# Altium PCB PCB2.PcbDoc (part 3 of 3) (continued)
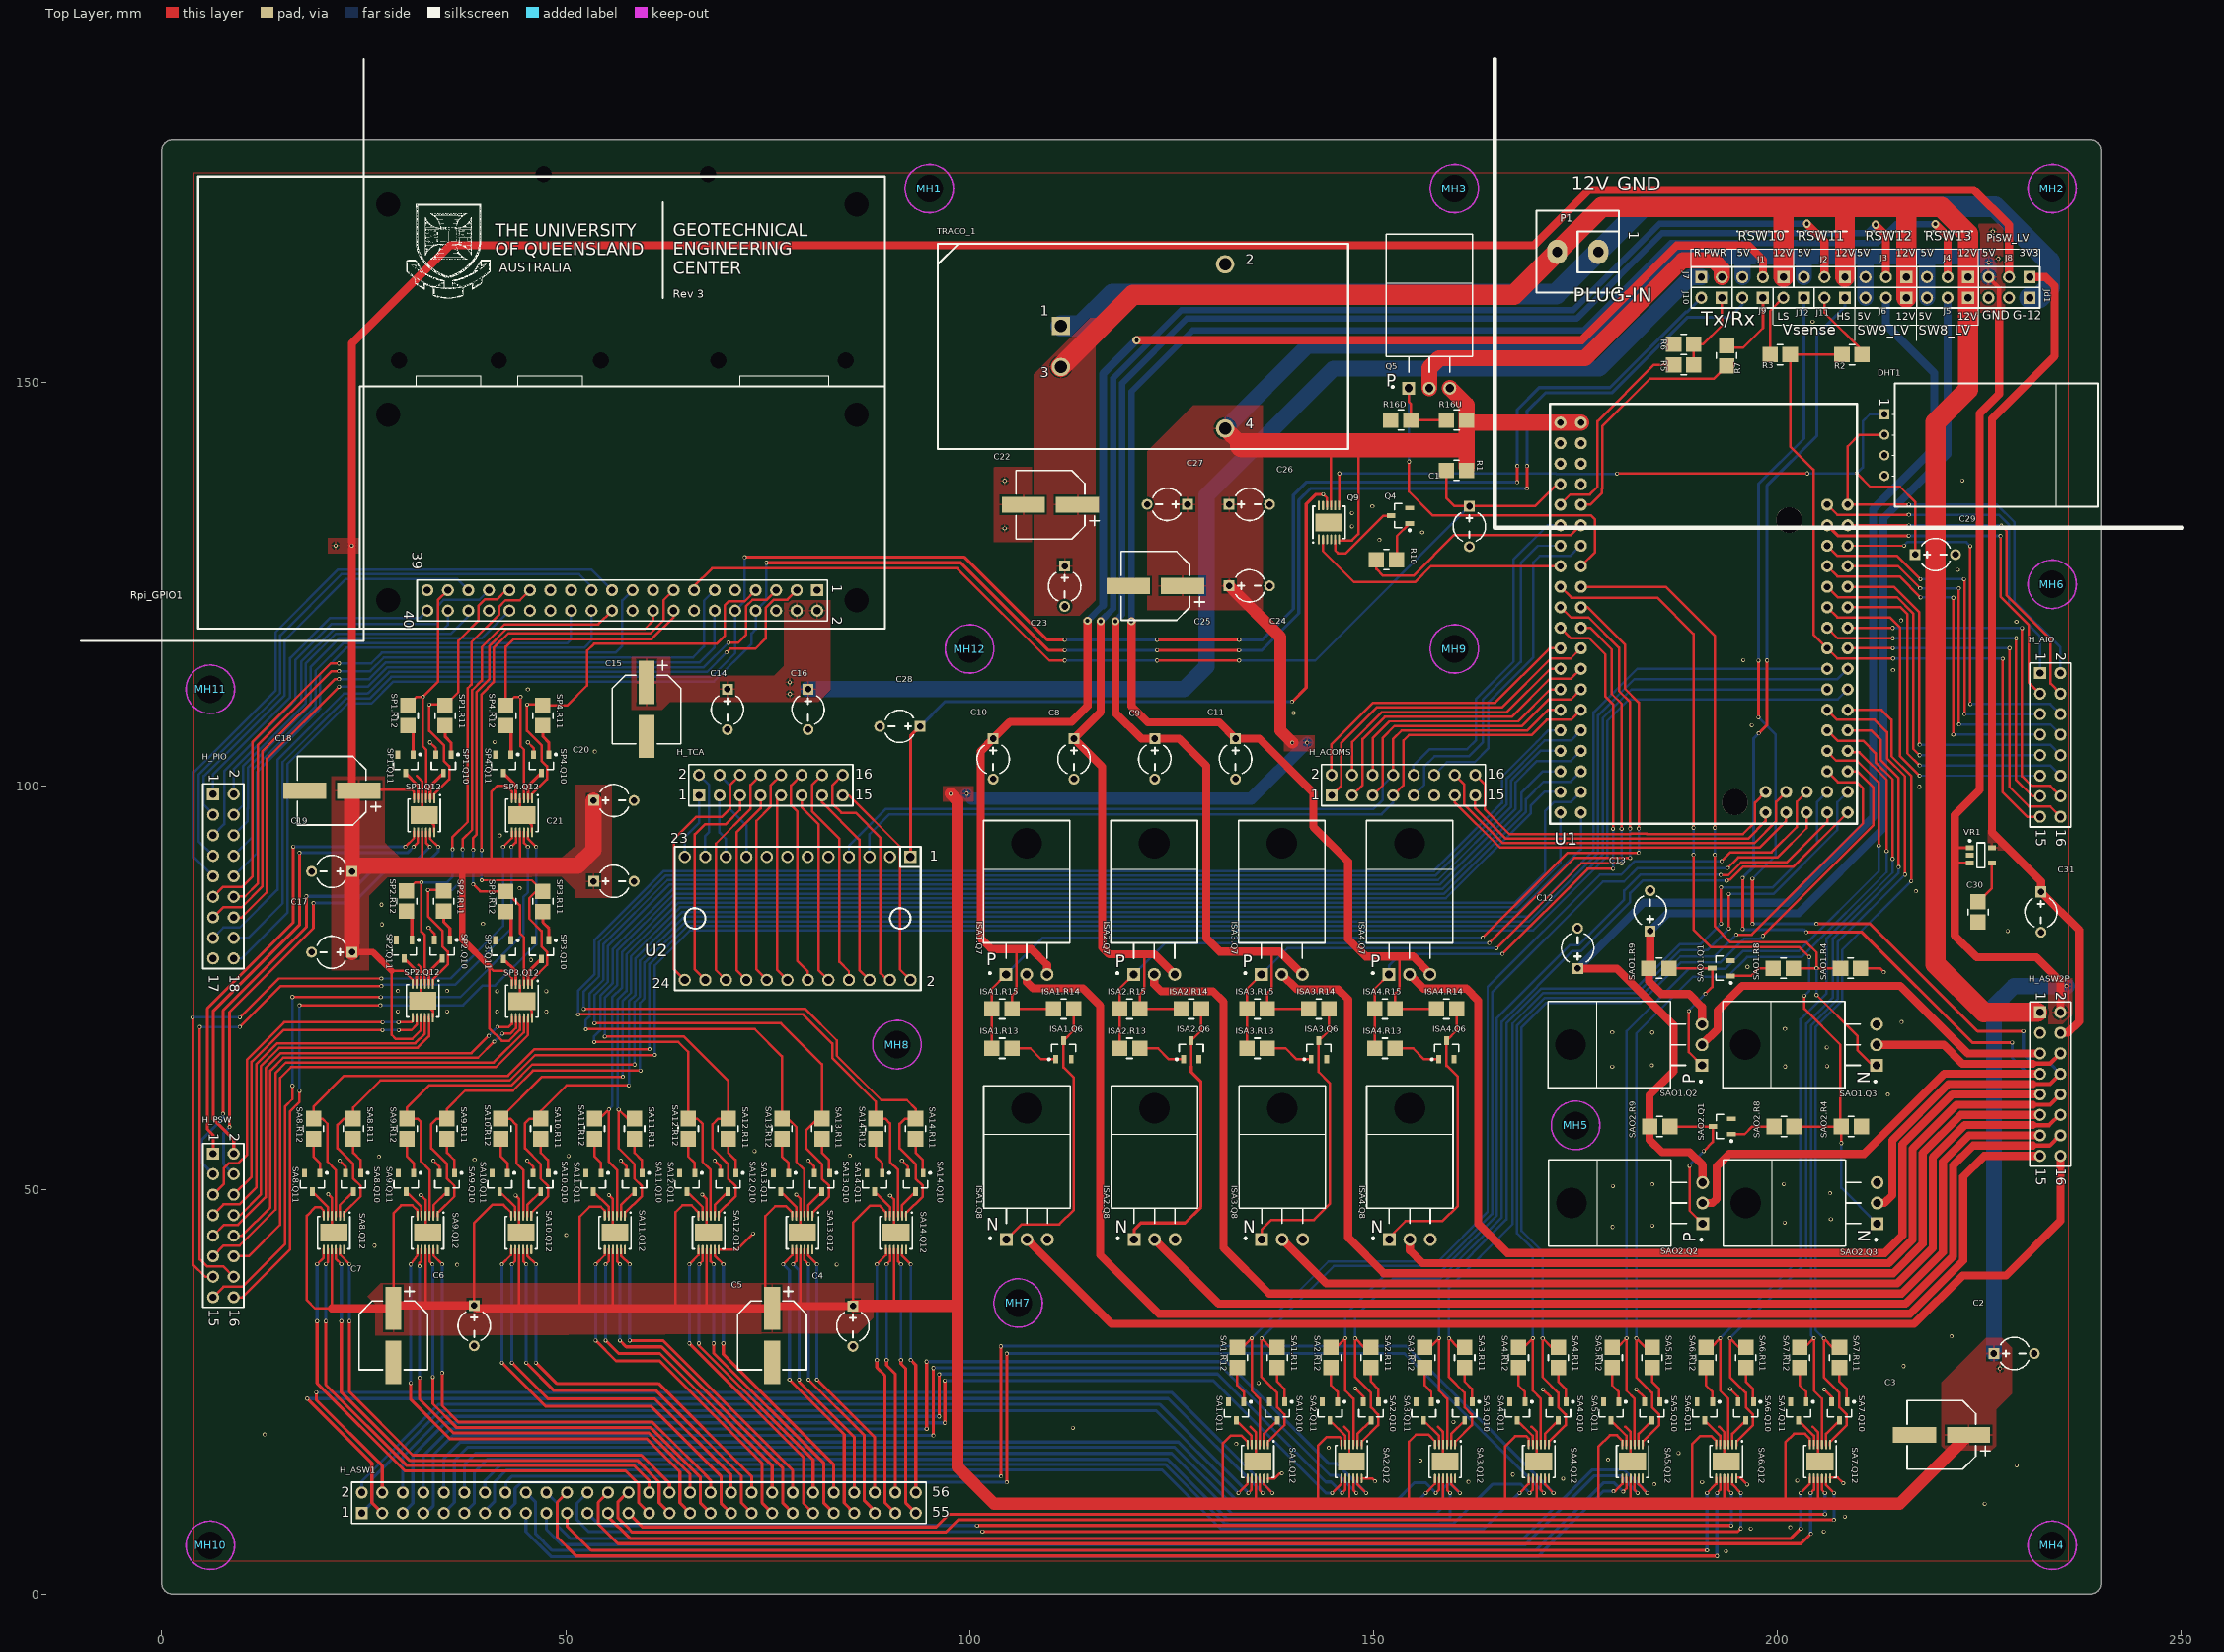
[diagram p0: Top Layer view]
## Nets (pads, with @x,y where several pads share a name; then routed paths per layer and width w, separated by ;. In a path a pad name is that pad's centre, name@x,y a point inside that pad or via, vN(x,y) a via of type N, cw(c..) or ccw(c..) an arc to the next point about the centre after c; other vN are vias at no path point) (continued)
PI_HS_7: H_PSW.13 SP4.Q12.7 | length 89
  Top Layer w0.305: v1(3.82,71.37) 3.82,40.83 5.39,39.26 H_PSW.13@6.35,39.26 ; v1(9.65,71.37) 14.47,76.19 v1(27.18,76.19) ; v1(42.26,92.499) 43.328,93.567 SP4.Q12.7@43.328,94.386
  Bottom Layer w0.305: v1(3.82,71.37) v1(9.65,71.37) ; v1(27.18,76.19) 35.74,76.19 42.26,82.71 v1(42.26,92.499)
PI_HS_8: H_PSW.15 SP4.Q12.10 | length 87.5
  Top Layer w0.305: H_PSW.15@6.35,36.72 7.64,38.01 9.96,38.01 15.27,43.32 15.27,60.356 16.17,61.256 v1(16.17,62.9) ; v1@16.17,73.89 v1(27.11,73.89) ; SP4.Q12.10@44.828,94.386 44.828,92.979 v1(45.308,92.499)
  Bottom Layer w0.305: v1(16.17,62.9) v1(16.17,73.9) ; v1(27.11,73.89) 36.94,73.89 44.75,81.7 44.75,86.28 45.308,86.838 v1(45.308,92.499)
PI_LS_1: H_PSW.2 SP1.Q12.8 | length 59.3
  Top Layer w0.305: v1(31.166,92.499) 31.718,93.051 SP1.Q12.8@31.718,94.386
  Top Layer w0.381: H_PSW.2@8.894,54.5 8.894,56.256 6.354,58.796 6.354,72.134 17.04,82.82 v1(17.04,91.75)
  Bottom Layer w0.381: v1(17.04,91.75) 30.417,91.75 v1(31.166,92.499)
PI_LS_2: H_PSW.4 SP1.Q12.11 | length 59.7
  Top Layer w0.305: SP1.Q12.11@33.218,94.386 33.218,93.495 v1(34.214,92.499)
  Top Layer w0.381: v1(8.382,57.78) 8.382,72.032 18.77,82.42 v1(18.77,85.53)
  Bottom Layer w0.381: v1(8.382,57.78) 7.65,57.048 7.65,53.2 H_PSW.4@8.89,51.96 ; v1(18.77,85.53) 18.78,85.53 18.79,85.54 23.69,85.54 27.66,89.51 31.83,89.51 34.214,91.894 v1(34.214,92.499)
PI_LS_3: H_PSW.6 SP2.Q12.8 | length 40.7
  Top Layer w0.305: H_PSW.6@8.89,49.42 11.12,51.65 11.12,65.87 15.05,69.8 v1(27.32,69.8) ; v1(29.33,69.8) 30.892,69.8 31.554,70.462 SP2.Q12.8@31.554,71.427
  Bottom Layer w0.305: v1(27.32,69.8) v1(29.33,69.8)
PI_LS_4: H_PSW.8 SP2.Q12.11 | length 45.6
  Top Layer w0.305: H_PSW.8@8.89,46.88 9.69,46.88 12.279,49.469 12.279,65.359 14.52,67.6 21.74,67.6 21.752,67.612 31.662,67.612 33.07,69.02 33.07,71.18 33.054,71.196 SP2.Q12.11@33.054,71.427 ; H_PSW.8@8.894,46.927 H_PSW.8@9.387,46.927
PI_LS_5: H_PSW.10 SP3.Q12.8 | length 57.3
  Top Layer w0.305: H_PSW.10@8.89,44.34 9.91,44.34 13.43,47.86 13.43,64.79 15.02,66.38 20.94,66.38 39.14,66.38 v1(41.13,68.37) ; H_PSW.10@8.894,44.387 H_PSW.10@9.317,44.387 ; v1(42.15,69.37) 43.146,69.37 43.828,70.052 SP3.Q12.8@43.828,71.387
  Bottom Layer w0.305: v1(41.13,68.37) 41.15,68.37 v1(42.15,69.37)
PI_LS_6: H_PSW.12 SP3.Q12.11 | length 60.6
  Top Layer w0.305: H_PSW.12@8.89,41.8 10.75,41.8 14.64,45.69 14.64,63.86 15.99,65.21 20.94,65.21 41.34,65.21 45.328,69.198 SP3.Q12.11@45.328,71.387
PI_LS_7: H_PSW.14 SP4.Q12.8 | length 90
  Top Layer w0.305: v1(4.7,70.19) 4.7,41.42 5.57,40.55 7.6,40.55 H_PSW.14@8.89,39.26 ; H_PSW.14@8.894,39.307 H_PSW.14@8.894,39.646 ; v1(9.65,70.19) 14.73,75.27 v1(27.18,75.27) ; v1(43.276,92.499) 43.828,93.051 SP4.Q12.8@43.828,94.386
  Bottom Layer w0.305: v1(4.7,70.19) v1(9.65,70.19) ; v1(27.18,75.27) 27.33,75.42 36.31,75.42 43.276,82.386 v1(43.276,92.499)
PI_LS_8: H_PSW.16 SP4.Q12.11 | length 87
  Top Layer w0.305: H_PSW.16@8.89,36.72 9.96,36.72 14.5,41.26 15.84,42.6 15.84,59.696 17.04,60.896 v1(17.04,62.27) ; v1@17.05,72.87 v1(27.07,72.87) ; SP4.Q12.11@45.328,94.386 45.328,93.495 v1(46.324,92.499)
  Bottom Layer w0.305: v1(17.04,62.27) v1(17.04,72.87) ; v1(27.07,72.87) 37.28,72.87 39.72,75.31 41.26,75.31 46.324,80.374 v1(46.324,92.499)
PI_SW1: Rpi_GPIO1.37 SP1.Q12.3 SP1.R12.1 | length 29.6
  Top Layer w0.305: SP1.R12.1@30.468,109.979 31.548,111.059 v1(32.308,111.059) ; SP1.Q12.3@32.718,98.386 32.718,104.529 32.308,104.939 v1(32.308,111.059) ; Rpi_GPIO1.37@35.41,124.27 34.18,123.04 34.18,112.931 v1(32.308,111.059)
PI_SW2: Rpi_GPIO1.31 SP1.Q12.1 SP1.R11.1 | length 34.5
  Top Layer w0.305: SP1.Q12.1@33.718,98.386 33.718,99.019 35.568,100.869 35.568,102.472 34.898,103.142 34.898,105.069 33.108,106.859 v1(33.108,110.109) 34.349,110.109 34.639,110.399 SP1.R11.1@35.06,109.979 36.7,111.619 36.7,117.99 39.182,120.472 39.182,122.312 39.99,123.12 40.005,123.12 40.011,123.114 40.969,123.114 40.975,123.12 41.47,123.12 42.62,124.27 Rpi_GPIO1.31@43.03,124.27
PI_SW3: Rpi_GPIO1.29 SP2.Q12.3 SP2.R12.1 | length 59.8
  Top Layer w0.305: SP2.R12.1@30.304,87.02 31.384,88.1 v1(32.144,88.1) 32.144,81.98 32.554,81.57 SP2.Q12.3@32.554,75.427 ; v1(35.994,92.19) 35.994,93.704 37.861,95.571 37.861,112.132 38.33,112.601 38.33,117.83 41.74,121.24 41.74,122.21 42.56,123.03 44.33,123.03 Rpi_GPIO1.29@45.57,124.27
  Bottom Layer w0.305: v1(32.144,88.1) 35.33,88.1 35.994,88.764 v1(35.994,92.19)
PI_SW4: Rpi_GPIO1.22 SP2.Q12.1 SP2.R11.1 | length 68.3
  Top Layer w0.305: SP2.Q12.1@33.554,75.427 33.554,76.06 35.404,77.91 35.404,79.514 34.734,80.184 34.734,82.11 32.944,83.9 v1(32.944,87.15) 34.186,87.15 34.476,87.44 SP2.R11.1@34.896,87.02 ; v1(37.234,92.19) 37.234,93.424 38.42,94.61 38.42,111.9 39.61,113.09 39.61,117.211 42.438,120.039 54.039,120.039 Rpi_GPIO1.22@55.73,121.73
  Bottom Layer w0.305: v1(32.944,87.15) 35.944,87.15 37.234,88.44 v1(37.234,92.19)
PI_SW5: Rpi_GPIO1.18 SP3.Q12.3 SP3.R12.1 | length 70
  Top Layer w0.305: v1(38.55,87.84) 39.41,86.98 SP3.R12.1@42.578,86.98 44.32,85.238 44.32,81.83 44.828,81.322 SP3.Q12.3@44.828,75.387 ; v1(38.55,92.114) 38.55,93.58 38.979,94.009 38.979,111.669 40.531,113.221 40.531,117.341 40.68,117.49 42.67,119.48 59.79,119.48 60.81,120.5 Rpi_GPIO1.18@60.81,121.73
  Bottom Layer w0.305: v1(38.55,87.84) v1(38.55,92.114)
PI_SW6: Rpi_GPIO1.15 SP3.Q12.1 SP3.R11.1 | length 78.4
  Top Layer w0.305: v1(39.584,92.09) 39.579,92.095 39.579,111.379 41.09,112.89 41.09,117.11 42.901,118.921 60.471,118.921 62.11,120.56 62.11,123.03 Rpi_GPIO1.15@63.35,124.27 ; v1(39.6,88.348) 45.802,88.348 SP3.R11.1@46.749,87.4 ; SP3.Q12.1@45.828,75.387 45.828,76.02 47.678,77.87 47.678,79.474 47.008,80.144 47.008,82.07 45.47,83.608 45.47,86.121 SP3.R11.1@46.749,87.4 ; SP3.R11.1@47.17,86.98 SP3.R11.1@46.749,87.4
  Bottom Layer w0.305: v1(39.584,92.09) 39.584,88.364 v1(39.6,88.348)
PI_SW7: Rpi_GPIO1.16 SP4.Q12.3 SP4.R12.1 | length 45.5
  Top Layer w0.305: SP4.Q12.3@44.828,98.386 44.828,104.529 44.418,104.939 v1(44.418,111.059) 43.658,111.059 SP4.R12.1@42.578,109.979 42.578,117.248 43.548,118.218 60.638,118.218 63.35,120.93 Rpi_GPIO1.16@63.35,121.73
PI_SW8: Rpi_GPIO1.7 SP4.Q12.1 SP4.R11.1 | length 52.7
  Top Layer w0.305: SP4.Q12.1@45.828,98.386 45.828,99.019 47.678,100.869 47.678,102.472 47.008,103.142 47.008,105.069 45.218,106.859 v1(45.218,110.109) 46.459,110.109 46.749,110.399 SP4.R11.1@47.17,109.979 50.149,109.979 52.648,112.478 52.648,116.758 53.51,117.62 68.67,117.62 69.71,118.66 69.71,122.43 70.17,122.89 72.13,122.89 Rpi_GPIO1.7@73.51,124.27
PWM1: H_ACOMS.12 U1.D4 | length 40.2
  Bottom Layer w0.305: H_ACOMS.12@157.484,101.39 H_ACOMS.12@157.5,101.39 159.09,102.98 162.5,102.98 164.22,104.7 164.22,110.41 169.78,115.97 169.78,127.72 170.56,128.5 174.3,128.5 175.57,129.77 U1.D4@175.666,129.77
PWM2: H_ACOMS.10 U1.D3 | length 42.1
  Bottom Layer w0.305: H_ACOMS.10@154.944,101.39 154.944,102.584 156.95,104.59 161.58,104.59 162.7,105.71 162.7,110.816 167.33,115.446 167.33,128.096 171.544,132.31 U1.D3@173.126,132.31
rpi_5v_1: C14.1 C15.1 C16.1 J7.1 Rpi_GPIO1.2 Rpi_GPIO1.4 | length 144.1
  Bottom Layer w2: C16.1@80.004,112 126.51,112 129.31,114.8 129.31,135.996 145.017,151.703 177.917,151.703 189.234,163.02 J7.1@190.563,163.02
  other v1: 77.75,111.41 77.72,112.87
RSW1: ISA1.Q7.1 ISA1.R13.1 ISA1.R15.1 U1.D10 | length 128.3
  Top Layer w0.305: ISA1.R13.1@102.754,67.543 ISA1.R15.1@102.754,72.423 102.754,74.943 ISA1.Q7.1@104.504,76.693 ; v1(163.51,81.24) 174.03,91.76 v1@182.816,91.76 ; U1.D10@175.666,122.15 176.49,122.15 181.1,117.54 181.1,112.08 182.82,110.36 v1(182.82,94.75)
  Bottom Layer w0.305: ISA1.Q7.1@104.504,76.693 109.051,81.24 153.35,81.24 v1(163.51,81.24) ; v1@182.816,91.76 182.82,91.764 v1(182.82,94.75)
  other v1: 182.82,91.76
RSW2: ISA2.Q7.1 ISA2.R13.1 ISA2.R15.1 U1.D11 | length 113.2
  Top Layer w0.305: ISA2.R13.1@118.554,67.543 ISA2.R15.1@118.554,72.423 118.554,74.943 ISA2.Q7.1@120.304,76.693 ; v1(164.3,80.58) 174.836,91.116 181.742,91.116 v1(181.758,91.1) ; U1.D11@173.126,122.15 173.17,122.15 174.44,120.88 176.63,120.88 180.37,117.14 180.37,111.778 181.754,110.394 181.75,110.389 v1(181.75,94.75)
  Bottom Layer w0.305: ISA2.Q7.1@120.304,76.693 124.191,80.58 153.35,80.58 v1(164.3,80.58) ; v1(181.75,94.75) 181.75,91.121 v1@181.754,91.116
RSW3: ISA3.Q7.1 ISA3.R13.1 ISA3.R15.1 U1.D12 | length 92.1
  Top Layer w0.305: ISA3.R13.1@134.354,67.543 ISA3.R15.1@134.354,72.423 134.354,74.943 ISA3.Q7.1@136.104,76.693 ; v1(165.21,79.92) 175.75,90.46 v1(180.696,90.46) ; U1.D12@175.666,119.61 176.8,119.61 179.48,116.93 179.48,111.409 180.692,110.197 v1(180.692,94.72)
  Bottom Layer w0.305: ISA3.Q7.1@136.104,76.693 139.331,79.92 153.35,79.92 v1(165.21,79.92) ; v1@180.692,90.46 v1(180.692,94.72)
RSW4: ISA4.Q7.1 ISA4.R13.1 ISA4.R15.1 U1.D13 | length 77.5
  Top Layer w0.305: ISA4.R13.1@150.154,67.543 ISA4.R15.1@150.154,72.423 150.154,74.943 ISA4.Q7.1@151.904,76.693 ; v1(165.96,79.22) 176.51,89.77 v1(179.634,89.77) ; U1.D13@173.126,119.61 174.396,118.34 176.66,118.34 178.7,116.3 178.7,111.086 179.63,110.156 v1(179.63,94.72)
  Bottom Layer w0.305: ISA4.Q7.1@151.904,76.693 151.904,77.774 153.35,79.22 v1(165.96,79.22) ; v1@179.63,89.77 v1(179.63,94.72)
SCK: H_ACOMS.15 U1.D52 | length 41.1
  Top Layer w0.305: H_ACOMS.15@162.58,98.85 162.58,97.27 166.351,93.499 182.05,93.499 182.085,93.534 183.555,93.534 183.59,93.499 196.369,93.499 198.526,95.656 U1.D52@198.526,96.75
SS: H_ACOMS.16 U1.D53 | length 44.4
  Top Layer w0.305: H_ACOMS.16@162.58,101.39 163.79,100.18 163.79,97.09 166.822,94.058 181.819,94.058 181.854,94.093 183.786,94.093 183.821,94.058 195.698,94.058 197.2,95.56 197.2,97.964 U1.D53@198.526,99.29
SSDI-12: H_ACOMS.9 U1.D5 | length 42.6
  Bottom Layer w0.305: H_ACOMS.9@154.96,98.85 156.28,100.17 156.28,102.44 157.54,103.7 161.79,103.7 163.56,105.47 163.56,110.75 168.21,115.4 168.21,127.648 170.332,129.77 U1.D5@173.126,129.77
tca_sc0: H_TCA.3 U2.19 | length 7.9
  Bottom Layer w0.305: H_TCA.3@69.04,98.85 69.04,94.27 69.814,93.496 U2.19@69.814,91.25
tca_sc1: H_TCA.1 U2.23 | length 8.3
  Bottom Layer w0.305: U2.23@64.734,91.25 64.734,93.684 66.5,95.45 H_TCA.1@66.5,98.85
tca_sc2: H_TCA.5 U2.22 | length 27.5
  Top Layer w0.305: U2.22@67.274,76.01 65.982,77.302 65.982,94.032 67.26,95.31 69.82,95.31 71.58,97.07 H_TCA.5@71.58,98.85
  Bottom Layer w0.305: H_TCA.5@71.072,98.85 H_TCA.5@71.301,98.621
tca_sc3: H_TCA.7 U2.18 | length 24.6
  Top Layer w0.305: U2.18@72.354,76.01 71.14,77.224 71.14,94.27 74.12,97.25 H_TCA.7@74.12,98.85
tca_sc4: H_TCA.9 U2.14 | length 23.6
  Top Layer w0.305: H_TCA.9@76.66,98.85 76.152,98.342 76.152,77.291 U2.14@77.434,76.01
tca_sc5: H_TCA.11 U2.10 | length 24.2
  Top Layer w0.305: H_TCA.11@79.2,98.85 79.2,97.38 81.29,95.29 81.29,77.234 U2.10@82.514,76.01
tca_sc6: H_TCA.13 U2.6 | length 25.3
  Top Layer w0.305: H_TCA.13@81.74,98.85 81.74,97.99 86.36,93.37 86.36,77.244 U2.6@87.594,76.01
tca_sc7: H_TCA.15 U2.2 | length 26.8
  Top Layer w0.305: H_TCA.15@84.28,98.85 85.06,98.85 91.38,92.53 91.38,77.304 U2.2@92.674,76.01
tca_sd0: H_TCA.4 U2.17 | length 11.5
  Bottom Layer w0.305: H_TCA.4@69.04,101.39 70.34,100.09 70.34,97.15 72.354,95.136 U2.17@72.354,91.25
tca_sd1: H_TCA.2 U2.21 | length 10.9
  Bottom Layer w0.305: H_TCA.2@66.5,101.39 67.76,100.13 67.76,94.32 67.274,93.834 U2.21@67.274,91.25
tca_sd2: H_TCA.6 U2.24 | length 31.2
  Top Layer w0.305: U2.24@64.734,76.01 63.38,77.364 63.38,93.43 66.12,96.17 69.31,96.17 70.34,97.2 70.34,100.15 H_TCA.6@71.58,101.39
tca_sd3: H_TCA.8 U2.20 | length 28.2
  Top Layer w0.305: U2.20@69.814,76.01 68.59,77.234 68.59,92.9 72.89,97.2 72.89,100.16 H_TCA.8@74.12,101.39
tca_sd4: H_TCA.10 U2.16 | length 27.2
  Top Layer w0.305: U2.16@74.894,76.01 73.612,77.291 73.612,95.711 75.36,97.459 75.36,100.09 H_TCA.10@76.66,101.39
tca_sd5: H_TCA.12 U2.12 | length 26.8
  Top Layer w0.305: H_TCA.12@79.2,101.39 77.904,100.094 77.904,97.626 78.69,96.84 78.69,78.33 79.974,77.046 U2.12@79.974,76.01
tca_sd6: H_TCA.14 U2.8 | length 27.8
  Top Layer w0.305: H_TCA.14@81.74,101.39 80.48,100.13 80.48,96.89 83.88,93.49 83.88,78.25 85.054,77.076 U2.8@85.054,76.01
tca_sd7: H_TCA.16 U2.4 | length 30.1
  Top Layer w0.305: H_TCA.16@84.28,101.39 82.99,100.1 82.99,97.84 84.135,96.695 85.885,96.695 88.96,93.62 88.96,76.86 89.81,76.01 U2.4@90.134,76.01
pads on no net: DHT1.3 ISA1.Q7.0 ISA1.Q8.0 ISA2.Q7.0 ISA2.Q8.0 ISA3.Q7.0 ISA3.Q8.0 ISA4.Q7.0 ISA4.Q8.0 MH1.0 MH2.0 MH3.0 MH4.0 MH5.0 MH6.0 MH7.0 MH8.0 MH9.0 MH10.0 MH11.0 MH12.0 Q5.0 Q9.1 Q9.3 Q9.4 Q9.8 Q9.11 Q9.12 Rpi_GPIO1.0 Rpi_GPIO1.1 Rpi_GPIO1.17 Rpi_GPIO1.27 Rpi_GPIO1.28 SAO1.Q2.0 SAO1.Q3.0 SAO2.Q2.0 SAO2.Q3.0 U1.0 U1.5V@3 U1.AREF U1.GND@3 U1.GND@4 U1.MISO U1.MOSI U1.RESET U1.RST@2 U1.RX@2 U1.SCK U1.TX@2 U1.VCC@1 U1.VCC@2 U1.VCC@3 U2.9 U2.11 U2.13 U2.15
copper on no net:
  other v1: 196.28,77.63

## Polygon pours and split planes (outlines as drawn)
GND on Bottom Layer "Bottom Layer-GND" (solid, remove dead copper, shelved, pour order 97): 4,4 4,176 236,176 236,4
5V on Bottom Layer "Bottom Layer-5V 1" (solid, remove dead copper, pour order 61): 225.42,169.8 226.82,169.8 228.038,168.582 228.038,164.3 225.42,164.3
5V on Bottom Layer "Bottom Layer-NetC17_1" (solid, remove dead copper, pour order 83): 96.434,100.39 100.814,100.39 100.814,97.72 96.434,97.72
5V on Bottom Layer "Bottom Layer-NetC17_1" (solid, remove dead copper, pour order 79): 142.936,103.955 138.556,103.955 138.556,106.625 142.936,106.625
5V on Bottom Layer "Bottom Layer-5V 2" (solid, remove dead copper, pour order 77): 225.8,31.66 227.81,31.66 229.02,30.45 229.02,27.49 228.61,27.08 226.58,27.08 225.21,28.45 225.21,31.078
GND-12V on Bottom Layer "Bottom Layer-GND-12V" (solid, remove dead copper, pour order 48): 103.01,131.04 103.84,130.21 107.003,130.21 107.95,129.263 107.95,120.7 113.234,120.7 115.57,123.036 115.57,160.48 109.663,160.48 107.95,158.767 107.95,140.347 107.143,139.54 104.103,139.54 103.01,138.447
5V on Bottom Layer "Bottom Layer-5V" (solid, remove dead copper, pour order 55): 233.51,76.6 236.48,76.6 236.48,71.563 235.437,70.52 233.51,70.52
rpi_5v_1 on Bottom Layer "Bottom Layer-rpi_5v_1 1" (solid, remove dead copper, pour order 53): 76.83,113.76 82.88,113.76 82.88,112.03 81.27,110.42 76.83,110.42
NetC17_1 on Bottom Layer "Bottom Layer-NetC17_1" (solid, remove dead copper, pour order 51): 20.314,131.1 24.694,131.1 24.694,128.43 20.314,128.43
GND on Top Layer "Top Layer-GND" (solid, remove dead copper, shelved, pour order 99): 4,4 4,176 236,176 236,4
rpi_5v_1 on Top Layer "Bottom Layer-rpi_5v_1" (solid, remove dead copper, pour order 50): 77.014,123.02 82.76,123.02 82.76,111.91 81.27,110.42 58.164,110.42 58.164,113.66 75.784,113.66 77.014,114.89
5V on Top Layer "Top Layer-5V 1" (solid, remove dead copper, pour order 57): 233.53,76.24 236.5,76.24 236.5,71.68 235.34,70.52 233.53,70.52
3.3V on Top Layer "Top Layer-3.3V" (solid, remove dead copper, pour order 93): 226.162,94.622 226.06,94.52 226.06,92.03 229.03,92.03 229.16,91.9
5V on Top Layer "Top Layer-5V 2" (solid, remove dead copper, pour order 59): 224.847,169.63 228.17,169.63 228.17,158.63 224.899,158.63
5V on Top Layer "Top Layer-NetC17_1 1" (solid, remove dead copper, pour order 85): 96.664,100.01 100.484,100.01 100.484,98.09 96.664,98.09
5V on Top Layer "Top Layer-5V 3" (solid, remove dead copper, pour order 63): 86.096,32.206 88.06,34.17 88.06,38.48 27.13,38.48 25.47,36.82 26.41,35.88 26.41,31.953
5V on Top Layer "Top Layer-5V 4" (solid, remove dead copper, pour order 75): 225.8,31.66 227.81,31.66 229.02,30.45 229.02,24.78 227.05,22.81 227.05,18.33 226.46,17.74 220.89,17.74 220.3,18.33 220.3,26.16
5V on Top Layer "Top Layer-NetC17_1 1" (solid, remove dead copper, pour order 81): 142.706,104.335 138.886,104.335 138.886,106.255 142.706,106.255
5V on Top Layer "Top Layer-5V" (solid, remove dead copper, pour order 49): 121.974,121.82 121.974,141.447 127.677,147.15 136.294,147.15 136.294,121.82
GND-12V on Top Layer "Top Layer-GND-12V" (solid, remove dead copper, pour order 69): 103,139.52 107.89,139.52 107.89,130.2 103.002,130.2
12V on Top Layer "Top Layer-12V" (solid, pour order 47): 107.95,151 114.9,157.95 115.57,157.95 115.57,123.036 113.644,121.11 107.95,121.11
rpi_5v_1 on Top Layer "Top Layer-rpi_5v_1" (solid, remove dead copper, pour order 67): 58.12,109.43 61.92,109.43 62.99,110.5 62.99,116.02 58.12,116.02
NetC17_1 on Top Layer "Top Layer-NetC17_1" (solid, pour order 46): 49.555,91.18 51.164,92.608 51.164,100.14 55.71,100.14 55.71,86.15 51.164,86.15 51.164,87.11 49.514,88.76 27.974,88.76 25.654,86.44 25.654,77.2 21.01,77.2 21.01,101.23 27.62,101.23 27.62,93.03 29.47,91.18
NetC17_1 on Top Layer "Top Layer-NetC17_1 1" (solid, remove dead copper, pour order 52): 20.544,130.72 24.364,130.72 24.364,128.8 20.544,128.8

## Silkscreen, mask and mechanical layers (free items; w line width, h text height)
Top Overlay:
  drawing of 30 lines, arcs and shapes, not listed
  text "12V" at 174.469,173.177 h3
  text "GND" at 180.16,173.087 h3
  text "RSW10" at 195.144,167.138 h2
  text "RSW11" at 202.51,167.138 h2
  text "RSW12" at 210.892,167.138 h2
  text "RSW13" at 218.258,167.138 h2
  text "PiSW_LV" at 225.878,167.138 h1.52
  text "THE UNIVERSITY  / OF QUEENSLAND" at 41.298,165.701 h1.56
  text "R PWR" at 189.667,165.306 h1.52
  text "5V" at 195.024,165.306 h1.52
  text "12V" at 199.453,165.306 h1.52
  text "5V" at 202.501,165.306 h1.52
  text "12V" at 207.133,165.306 h1.52
  text "5V" at 209.867,165.306 h1.52
  text "12V" at 214.693,165.306 h1.52
  text "5V" at 217.741,165.306 h1.52
  text "12V" at 222.313,165.306 h1.52
  text "5V" at 225.361,165.306 h1.52
  text "3V3" at 229.933,165.306 h1.52
  text "AUSTRALIA" at 41.782,163.665 h1.17
  text "GEOTECHNICAL / ENGINEERING / CENTER" at 63.295,163.42 h1.56 r359.91
  text "Rev 3" at 63.295,160.474 h1
  text "PLUG-IN" at 174.697,159.397 h3
  text "LS" at 200.025,157.432 h1.52
  text "HS" at 207.327,157.432 h1.52
  text "5V" at 209.876,157.432 h1.52
  text "12V" at 214.693,157.432 h1.52
  text "5V" at 217.487,157.432 h1.52
  text "12V" at 222.313,157.432 h1.52
  text "GND" at 225.361,157.432 h1.8
  text "G-12" at 229.171,157.432 h1.8
  text "Tx/Rx" at 190.563,156.416 h3
  text "SW9_LV" at 209.876,155.454 h2
  text "SW8_LV" at 217.496,155.454 h2
  text "Vsense" at 200.593,155.4 h2.3
Bottom Overlay:
  drawing of 4 lines, arcs and shapes, not listed
  text "THE UNIVERSITY  / OF QUEENSLAND" at 145.164,169.943 h1.56
  text "AUSTRALIA" at 144.681,167.907 h1.17
  text "GEOTECHNICAL / ENGINEERING / CENTER" at 123.168,167.662 h1.56 r0.09
  text "Rev 3" at 123.168,164.716 h1
Drill Guide:
  lines w0.254: 1.27,0 cw(c1.27,1.27) 0,1.27 0,178.73 cw(c1.27,178.73) 1.27,180 238.73,180 cw(c238.73,178.73) 240,178.73 240,1.27 cw(c238.73,1.27) 238.73,0 1.3,0
Mechanical 1:
  the board outline again, w0.254
Drill Drawing:
  drawing of 574 lines, arcs and shapes, not listed
  text "Symbol" at -12.244,316.808 h1.83
  text "Count" at -0.621,316.808 h1.83
  text "Hole Size" at 11.99,316.808 h1.83
  text "Plated" at 37.32,316.808 h1.83
  text "Hole Type" at 47.401,316.808 h1.83
  text "Drill Layer Pair" at 62.367,316.808 h1.83
  text "Via/Pad" at 93.676,316.808 h1.83
  text "Pad Shape" at 106.152,316.808 h1.83
  text "Template" at 122.459,316.808 h1.83
  text "422" at -0.621,312.998 h1.52
  text "0.300mm (11.81mil)" at 11.99,312.998 h1.52
  text "PTH" at 37.32,312.998 h1.52
  text "Round" at 47.401,312.998 h1.52
  text "Top Layer - Bottom Layer" at 62.367,312.998 h1.52
  text "Via" at 93.676,312.998 h1.52
  text "Rounded" at 106.152,312.998 h1.52
  text "(Mixed)" at 122.459,312.998 h1.52
  text "8" at -0.621,309.188 h1.52
  text "0.500mm (19.69mil)" at 11.99,309.188 h1.52
  text "PTH" at 37.32,309.188 h1.52
  text "Round" at 47.401,309.188 h1.52
  text "Top Layer - Bottom Layer" at 62.367,309.188 h1.52
  text "Via" at 93.676,309.188 h1.52
  text "Rounded" at 106.152,309.188 h1.52
  text "v100h50" at 122.459,309.188 h1.52
  text "4" at -0.621,305.378 h1.52
  text "0.762mm (30.00mil)" at 11.99,305.378 h1.52
  text "PTH" at 37.32,305.378 h1.52
  text "Round" at 47.401,305.378 h1.52
  text "Top Layer - Bottom Layer" at 62.367,305.378 h1.52
  text "Pad" at 93.676,305.378 h1.52
  text "(Mixed)" at 106.152,305.378 h1.52
  text "(Mixed)" at 122.459,305.378 h1.52
  text "46" at -0.621,301.568 h1.52
  text "0.800mm (31.50mil)" at 11.99,301.568 h1.52
  text "PTH" at 37.32,301.568 h1.52
  text "Round" at 47.401,301.568 h1.52
  text "Top Layer - Bottom Layer" at 62.367,301.568 h1.52
  text "Pad" at 93.676,301.568 h1.52
  text "(Mixed)" at 106.152,301.568 h1.52
  text "(Mixed)" at 122.459,301.568 h1.52
  text "78" at -0.621,297.758 h1.52
  text "0.800mm (31.50mil)" at 11.99,297.758 h1.52
  text "PTH" at 37.32,297.758 h1.52
  text "Round" at 47.401,297.758 h1.52
  text "Top Layer - Bottom Layer" at 62.367,297.758 h1.52
  text "Pad" at 93.676,297.758 h1.52
  text "Rounded" at 106.152,297.758 h1.52
  text "c150h80z152x168" at 122.459,297.758 h1.52
  text "D" at -12.982,297.504 h1.69
  text "228" at -0.621,293.948 h1.52
  text "0.900mm (35.43mil)" at 11.99,293.948 h1.52
  text "PTH" at 37.32,293.948 h1.52
  text "Round" at 47.401,293.948 h1.52
  text "Top Layer - Bottom Layer" at 62.367,293.948 h1.52
  text "Pad" at 93.676,293.948 h1.52
  text "(Mixed)" at 106.152,293.948 h1.52
  text "(Mixed)" at 122.459,293.948 h1.52
  text "39" at -0.621,290.138 h1.52
  text "1.000mm (39.37mil)" at 11.99,290.138 h1.52
  text "PTH" at 37.32,290.138 h1.52
  text "Round" at 47.401,290.138 h1.52
  text "Top Layer - Bottom Layer" at 62.367,290.138 h1.52
  text "Pad" at 93.676,290.138 h1.52
  text "(Mixed)" at 106.152,290.138 h1.52
  text "(Mixed)" at 122.459,290.138 h1.52
  text "24" at -0.621,286.328 h1.52
  text "1.016mm (40.00mil)" at 11.99,286.328 h1.52
  text "PTH" at 37.32,286.328 h1.52
  text "Round" at 47.401,286.328 h1.52
  text "Top Layer - Bottom Layer" at 62.367,286.328 h1.52
  text "Pad" at 93.676,286.328 h1.52
  text "(Mixed)" at 106.152,286.328 h1.52
  text "(Mixed)" at 122.459,286.328 h1.52
  text "2" at -0.621,282.518 h1.52
  text "1.270mm (50.00mil)" at 11.99,282.518 h1.52
  text "PTH" at 37.32,282.518 h1.52
  text "Round" at 47.401,282.518 h1.52
  text "Top Layer - Bottom Layer" at 62.367,282.518 h1.52
  text "Pad" at 93.676,282.518 h1.52
  text "Rounded" at 106.152,282.518 h1.52
  text "r300_250h127r100" at 122.459,282.518 h1.52
  text "4" at -0.621,278.708 h1.52
  text "1.524mm (60.00mil)" at 11.99,278.708 h1.52
  text "PTH" at 37.32,278.708 h1.52
  text "Round" at 47.401,278.708 h1.52
  text "Top Layer - Bottom Layer" at 62.367,278.708 h1.52
  text "Pad" at 93.676,278.708 h1.52
  text "(Mixed)" at 106.152,278.708 h1.52
  text "(Mixed)" at 122.459,278.708 h1.52
  text "7" at -0.621,274.898 h1.52
  text "2.000mm (78.74mil)" at 11.99,274.898 h1.52
  text "NPTH" at 37.32,274.898 h1.52
  text "Round" at 47.401,274.898 h1.52
  text "Top Layer - Bottom Layer" at 62.367,274.898 h1.52
  text "Pad" at 93.676,274.898 h1.52
  text "Rounded" at 106.152,274.898 h1.52
  text "c0hn200" at 122.459,274.898 h1.52
  text "6" at -0.621,271.088 h1.52
  text "3.000mm (118.11mil)" at 11.99,271.088 h1.52
  text "NPTH" at 37.32,271.088 h1.52
  text "Round" at 47.401,271.088 h1.52
  text "Top Layer - Bottom Layer" at 62.367,271.088 h1.52
  text "Pad" at 93.676,271.088 h1.52
  text "Rounded" at 106.152,271.088 h1.52
  text "c152hn300(Tol50-50)" at 122.459,271.088 h1.52
  text "2" at -0.621,267.278 h1.52
  text "3.200mm (125.98mil)" at 11.99,267.278 h1.52
  text "NPTH" at 37.32,267.278 h1.52
  text "Round" at 47.401,267.278 h1.52
  text "Top Layer - Bottom Layer" at 62.367,267.278 h1.52
  text "Pad" at 93.676,267.278 h1.52
  text "Rounded" at 106.152,267.278 h1.52
  text "c320hn320" at 122.459,267.278 h1.52
  text "C" at -12.982,267.024 h1.69
  text "12" at -0.621,263.468 h1.52
  text "3.400mm (133.86mil)" at 11.99,263.468 h1.52
  text "NPTH" at 37.32,263.468 h1.52
  text "Round" at 47.401,263.468 h1.52
  text "Top Layer - Bottom Layer" at 62.367,263.468 h1.52
  text "Pad" at 93.676,263.468 h1.52
  text "Rounded" at 106.152,263.468 h1.52
  text "c0hn340" at 122.459,263.468 h1.52
  text "12" at -0.621,259.658 h1.52
  text "3.800mm (149.61mil)" at 11.99,259.658 h1.52
  text "NPTH" at 37.32,259.658 h1.52
  text "Round" at 47.401,259.658 h1.52
  text "Top Layer - Bottom Layer" at 62.367,259.658 h1.52
  text "Pad" at 93.676,259.658 h1.52
  text "Rounded" at 106.152,259.658 h1.52
  text "c0hn380" at 122.459,259.658 h1.52
  text "894 Total" at -0.621,255.848 h1.52
  text "Layer" at 22.856,235.719 h1.52
  text "Name" at 31.701,235.719 h1.52
  text "Material" at 51.125,235.719 h1.52
  text "Thickness" at 67.952,235.719 h1.52
  text "Constant" at 81.005,235.719 h1.52
  text "Board Layer Stack" at 93.522,235.719 h1.52
  text "Board Layer Stack" at 116.233,235.719 h1.52
  text "Board Layer Stack" at 138.943,235.719 h1.52
  text "Board Layer Stack" at 161.654,235.719 h1.52
  text "1" at 22.856,232.671 h1.52
  text "Top Overlay" at 31.701,232.671 h1.52
  text "2" at 22.856,229.623 h1.52
  text "Top Solder" at 31.701,229.623 h1.52
  text "Solder Resist" at 51.125,229.623 h1.52
  text "0.40mil" at 67.952,229.623 h1.52
  text "3.5" at 81.005,229.623 h1.52
  text "3" at 22.856,226.575 h1.52
  text "Top Layer" at 31.701,226.575 h1.52
  text "Copper" at 51.125,226.575 h1.52
  text "2.80mil" at 67.952,226.575 h1.52
  text "4" at 22.856,223.527 h1.52
  text "Dielectric 1" at 31.701,223.527 h1.52
  text "FR-4" at 51.125,223.527 h1.52
  text "12.60mil" at 67.952,223.527 h1.52
  text "4.8" at 81.005,223.527 h1.52
  text "5" at 22.856,220.479 h1.52
  text "Bottom Layer" at 31.701,220.479 h1.52
  text "Copper" at 51.125,220.479 h1.52
  text "2.80mil" at 67.952,220.479 h1.52
  text "6" at 22.856,217.431 h1.52
  text "Bottom Solder" at 31.701,217.431 h1.52
  text "Solder Resist" at 51.125,217.431 h1.52
  text "0.40mil" at 67.952,217.431 h1.52
  text "3.5" at 81.005,217.431 h1.52
  text "7" at 22.856,214.383 h1.52
  text "Bottom Overlay" at 31.701,214.383 h1.52

## Dimensions
0,1.27 to 1.274,180 on Drill Drawing
0,0 to 240,1.27 on Drill Drawing

## Text inside footprints (layer, text, board x,y; h text height)
DHT1: Top Overlay "1" at 212.624,148.08 h1.27 r270
H_ACOMS: Top Overlay "2" at 142.26,100.882 h1.27; Top Overlay "1" at 142.26,98.342 h1.27; Top Overlay "15" at 164.104,98.342 h1.27; Top Overlay "16" at 164.104,100.882 h1.27
H_AIO: Top Overlay "2" at 234.532,116.54 h1.27 r270; Top Overlay "1" at 231.992,116.54 h1.27 r270; Top Overlay "15" at 231.992,94.696 h1.27 r270; Top Overlay "16" at 234.532,94.696 h1.27 r270
H_ASW1: Top Overlay "56" at 95.362,12.032 h1.27; Top Overlay "55" at 95.362,9.492 h1.27; Top Overlay "1" at 22.21,9.492 h1.27; Top Overlay "2" at 22.21,12.032 h1.27
H_ASW2P: Top Overlay "2" at 234.532,74.54 h1.27 r270; Top Overlay "1" at 231.992,74.54 h1.27 r270; Top Overlay "15" at 231.992,52.696 h1.27 r270; Top Overlay "16" at 234.532,52.696 h1.27 r270
H_PIO: Top Overlay "18" at 8.382,76.648 h1.27 r270; Top Overlay "17" at 5.842,76.648 h1.27 r270; Top Overlay "1" at 5.842,101.54 h1.27 r270; Top Overlay "2" at 8.382,102.048 h1.27 r270
H_PSW: Top Overlay "2" at 8.382,57.04 h1.27 r270; Top Overlay "1" at 5.842,57.04 h1.27 r270; Top Overlay "15" at 5.842,35.196 h1.27 r270; Top Overlay "16" at 8.382,35.196 h1.27 r270
H_TCA: Top Overlay "2" at 63.96,100.882 h1.27; Top Overlay "1" at 63.96,98.342 h1.27; Top Overlay "15" at 85.804,98.342 h1.27; Top Overlay "16" at 85.804,100.882 h1.27
ISA1.Q7: Top Overlay "P" at 102.055,77.805 h1.52
ISA1.Q8: Top Overlay "N" at 102.085,44.971 h1.52
ISA2.Q7: Top Overlay "P" at 118.004,77.543 h1.52
ISA2.Q8: Top Overlay "N" at 118.044,44.723 h1.52
ISA3.Q7: Top Overlay "P" at 133.804,77.543 h1.52
ISA3.Q8: Top Overlay "N" at 133.844,44.723 h1.52
ISA4.Q7: Top Overlay "P" at 149.604,77.543 h1.52
ISA4.Q8: Top Overlay "N" at 149.644,44.723 h1.52
P1: Top Overlay "1" at 181.614,168.708 h1.27 r270
Q5: Top Overlay "P" at 151.544,149.454 h1.52
Rpi_GPIO1: Top Overlay "39" at 31,129 h1.27 r270; Top Overlay "40" at 30,121.73 h1.27 r270; Top Overlay "2" at 83,121 h1.27 r270; Top Overlay "1" at 83,125 h1.27 r270
SAO1.Q2: Top Overlay "P" at 189.798,63.14 h1.52 r90
SAO1.Q3: Top Overlay "N" at 211.4,63.14 h1.52 r90
SAO2.Q2: Top Overlay "P" at 189.875,43.544 h1.52 r90
SAO2.Q3: Top Overlay "N" at 211.477,43.544 h1.52 r90
TRACO_1: Top Overlay "4" at 134.154,144.29 h1.27; Top Overlay "3" at 108.754,150.64 h1.27; Top Overlay "2" at 134.154,164.61 h1.27; Top Overlay "1" at 108.754,158.26 h1.27
U2: Top Overlay "23" at 62.94,92.95 h1.27; Top Overlay "24" at 60.69,74.99 h1.27; Top Overlay "2" at 94.69,75.24 h1.27; Top Overlay "1" at 95.02,90.77 h1.27